# KiCad board driver.kicad_pcb (continued)
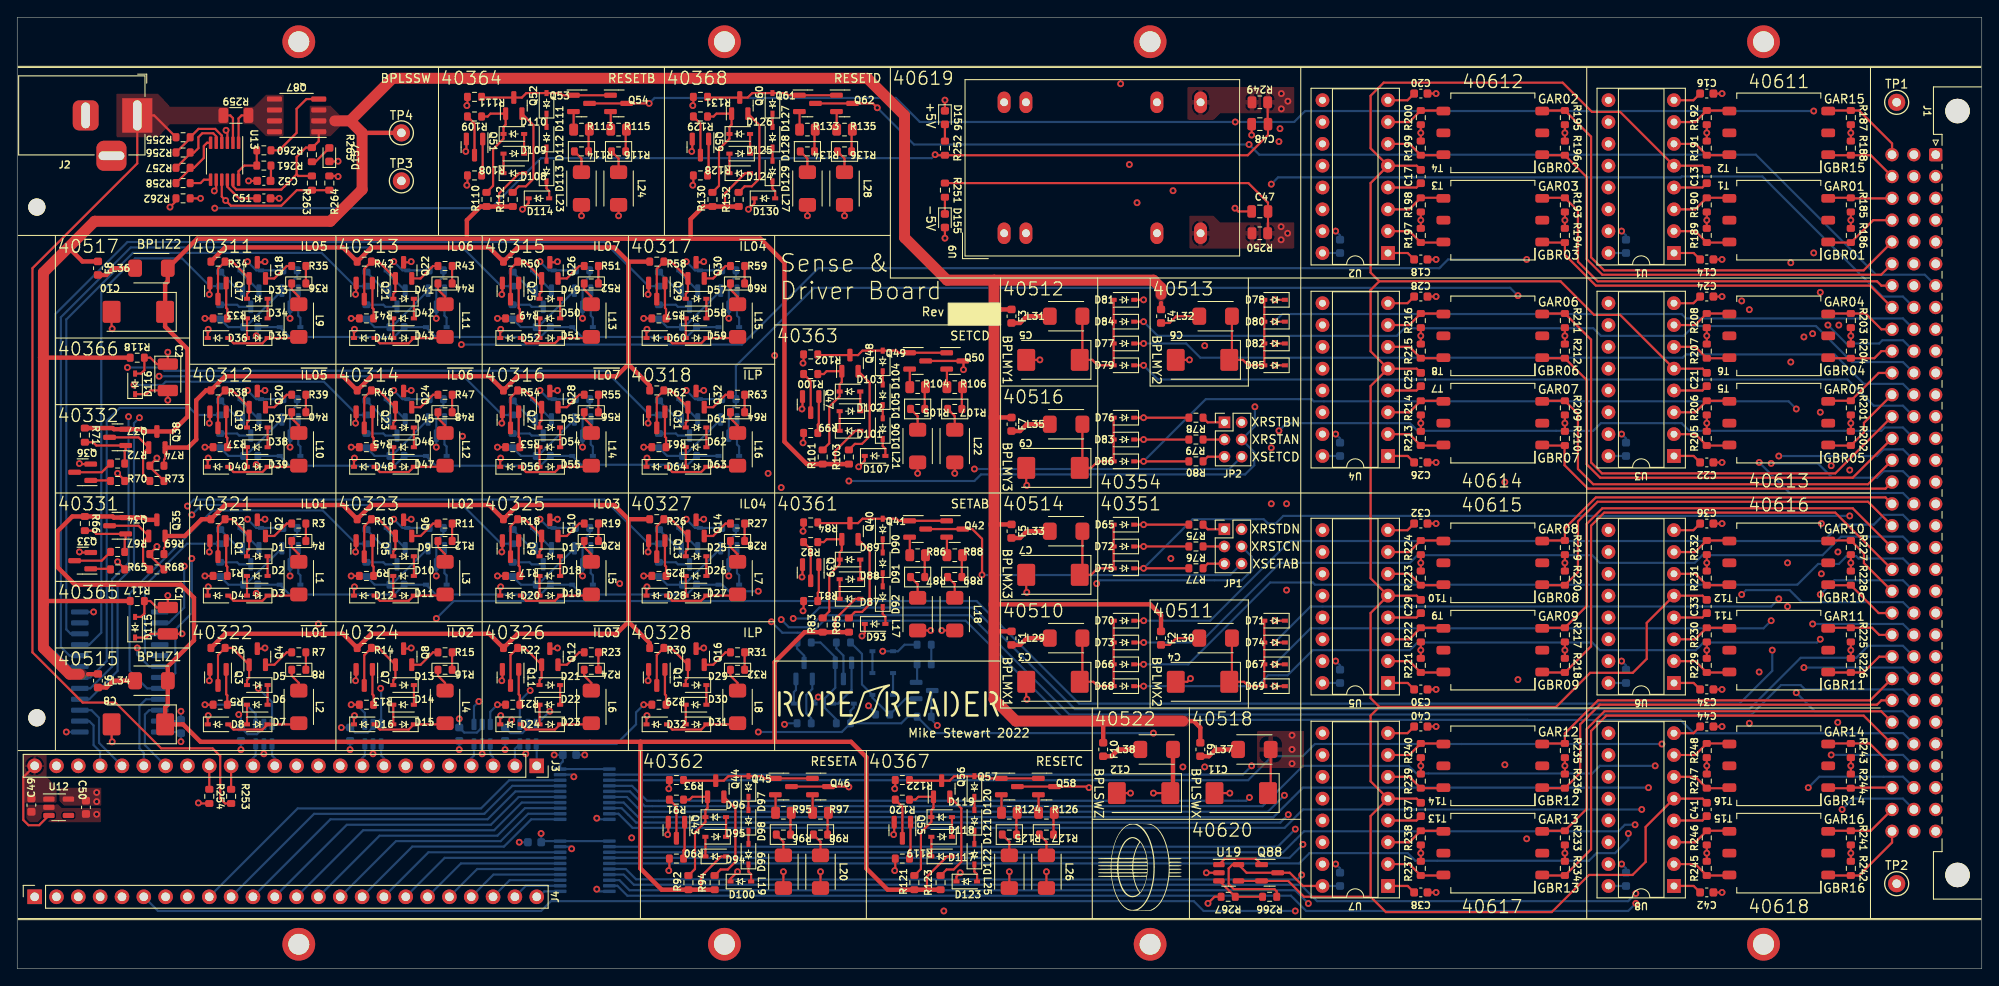
[diagram p0: board, top side]
## Routing (per net, layer and track width the routed paths; a pad name or vN(x,y) marks a point on that pad's centre or on a via; arc(x,y) is an arc through that point) (continued)
/Strand Select/RPR: length 2.7
  Bottom w0.254: R270.2 90.74,37.27 91.57,36.45 Q89.3
Net-(C14-Pad2): length 3.4
  Top w0.254: U1.1 195.07,83.3 C14.2
Net-(C18-Pad2): length 3.4
  Top w0.254: C18.2 161.79,83.3 U2.1
Net-(C22-Pad2): length 3.4
  Top w0.254: U3.1 195.07,59.68 C22.2
Net-(C26-Pad2): length 3.4
  Top w0.254: C26.2 161.79,59.68 U4.1
Net-(C30-Pad2): length 3.4
  Top w0.254: U5.1 161.79,33.26 C30.2
Net-(C34-Pad2): length 3.4
  Top w0.254: C34.2 195.07,33.26 U6.1
Net-(C38-Pad2): length 3.4
  Top w0.254: U7.1 161.79,9.64 C38.2
Net-(C42-Pad2): length 3.4
  Top w0.254: U8.1 195.07,9.64 C42.2
Net-(C51-Pad1): length 4.9
  Top w0.254: U13.10 24.45,91.01 25.8,89.66 C51.1
Net-(C52-Pad1): length 1.8
  Top w0.254: R261.1 29.53,91.74 C52.1
Net-(D1-Pad1): length 2.3
  Top w0.254: D2.2 D1.1
Net-(D1-Pad2): length 10.8
  Top w0.254: D1.2 26.74,48.58 26.99,48.83 Q2.1 25.04,52.32 R2.2 23.37,51.5 Q1.3
Net-(D2-Pad1): length 2.3
  Top w0.254: D3.2 D2.1
Net-(D3-Pad1): length 8.8
  Top w0.254: D4.2 25.18,42.82 28.53,42.82 D3.1 32.63,43.43 L1.2
Net-(D5-Pad1): length 2.3
  Top w0.254: D6.2 D5.1
Net-(D5-Pad2): length 10.8
  Top w0.254: D5.2 26.74,33.6 26.99,33.85 Q4.1 25.04,37.34 R6.2 23.37,36.51 Q3.3
Net-(D6-Pad1): length 2.3
  Top w0.254: D7.2 D6.1
Net-(D7-Pad1): length 8.8
  Top w0.254: L2.2 32.63,28.45 D7.1 28.53,27.84 25.18,27.84 D8.2
Net-(D9-Pad2): length 10.8
  Top w0.254: Q5.3 40.39,51.5 R10.2 42.05,52.32 Q6.1 44.01,48.83 43.76,48.58 D9.2
Net-(D10-Pad1): length 2.3
  Top w0.254: D11.2 D10.1
Net-(D10-Pad2): length 2.3
  Top w0.254: D10.2 D9.1
Net-(D11-Pad1): length 8.8
  Top w0.254: L3.2 49.65,43.43 D11.1 45.55,42.82 42.2,42.82 D12.2
Net-(D13-Pad1): length 2.3
  Top w0.254: D14.2 D13.1
Net-(D13-Pad2): length 10.8
  Top w0.254: Q7.3 40.39,36.51 R14.2 42.05,37.34 Q8.1 44.01,33.85 43.76,33.6 D13.2
Net-(D14-Pad1): length 2.3
  Top w0.254: D15.2 D14.1
Net-(D15-Pad1): length 8.8
  Top w0.254: D16.2 42.2,27.84 45.55,27.84 D15.1 49.65,28.45 L4.2
Net-(D17-Pad1): length 2.3
  Top w0.254: D18.2 D17.1
Net-(D17-Pad2): length 10.8
  Top w0.254: D17.2 60.78,48.58 61.03,48.83 Q10.1 59.07,52.32 R18.2 57.4,51.5 Q9.3
Net-(D18-Pad1): length 2.3
  Top w0.254: D19.2 D18.1
Net-(D19-Pad1): length 8.8
  Top w0.254: D20.2 59.21,42.82 62.57,42.82 D19.1 66.67,43.43 L5.2
Net-(D21-Pad1): length 2.3
  Top w0.254: D22.2 D21.1
Net-(D21-Pad2): length 10.8
  Top w0.254: D21.2 60.78,33.6 61.03,33.85 Q12.1 59.07,37.34 R22.2 57.4,36.51 Q11.3
Net-(D22-Pad1): length 2.3
  Top w0.254: D23.2 D22.1
Net-(D23-Pad1): length 8.8
  Top w0.254: L6.2 66.67,28.45 D23.1 62.57,27.84 59.21,27.84 D24.2
Net-(D25-Pad1): length 2.3
  Top w0.254: D26.2 D25.1
Net-(D25-Pad2): length 10.8
  Top w0.254: Q13.3 74.42,51.5 R26.2 76.09,52.32 Q14.1 78.04,48.83 77.79,48.58 D25.2
Net-(D26-Pad1): length 2.3
  Top w0.254: D27.2 D26.1
Net-(D27-Pad1): length 8.8
  Top w0.254: D28.2 76.23,42.82 79.58,42.82 D27.1 83.69,43.43 L7.2
Net-(D29-Pad1): length 2.3
  Top w0.254: D30.2 D29.1
Net-(D29-Pad2): length 10.8
  Top w0.254: Q15.3 74.42,36.51 R30.2 76.09,37.34 Q16.1 78.04,33.85 77.79,33.6 D29.2
Net-(D30-Pad1): length 2.3
  Top w0.254: D31.2 D30.1
Net-(D31-Pad1): length 8.8
  Top w0.254: D32.2 76.23,27.84 79.58,27.84 D31.1 83.69,28.45 L8.2
Net-(D33-Pad1): length 2.3
  Top w0.254: D34.2 D33.1
Net-(D33-Pad2): length 10.8
  Top w0.254: D33.2 26.74,78.56 26.99,78.81 Q18.1 25.04,82.3 R34.2 23.37,81.47 Q17.3
Net-(D34-Pad1): length 2.3
  Top w0.254: D35.2 D34.1
Net-(D35-Pad1): length 8.8
  Top w0.254: L9.2 32.63,73.41 D35.1 28.53,72.8 25.18,72.8 D36.2
Net-(D37-Pad1): length 2.3
  Top w0.254: D38.2 D37.1
Net-(D37-Pad2): length 10.8
  Top w0.254: D37.2 26.74,63.57 26.99,63.82 Q20.1 25.04,67.31 R38.2 23.37,66.48 Q19.3
Net-(D38-Pad1): length 2.3
  Top w0.254: D39.2 D38.1
Net-(D39-Pad1): length 8.8
  Top w0.254: L10.2 32.63,58.42 D39.1 28.53,57.81 25.18,57.81 D40.2
Net-(D41-Pad1): length 2.3
  Top w0.254: D42.2 D41.1
Net-(D41-Pad2): length 10.8
  Top w0.254: Q21.3 40.39,81.47 R42.2 42.05,82.3 Q22.1 44.01,78.81 43.76,78.56 D41.2
Net-(D42-Pad1): length 2.3
  Top w0.254: D43.2 D42.1
Net-(D43-Pad1): length 8.8
  Top w0.254: D44.2 42.2,72.8 45.55,72.8 D43.1 49.65,73.41 L11.2
Net-(D45-Pad1): length 2.3
  Top w0.254: D46.2 D45.1
Net-(D45-Pad2): length 10.8
  Top w0.254: Q23.3 40.39,66.48 R46.2 42.05,67.31 Q24.1 44.01,63.82 43.76,63.57 D45.2
Net-(D46-Pad1): length 2.3
  Top w0.254: D47.2 D46.1
Net-(D47-Pad1): length 8.8
  Top w0.254: D48.2 42.2,57.81 45.55,57.81 D47.1 49.65,58.42 L12.2
Net-(D49-Pad1): length 2.3
  Top w0.254: D50.2 D49.1
Net-(D49-Pad2): length 10.8
  Top w0.254: Q25.3 57.4,81.47 R50.2 59.07,82.3 Q26.1 61.03,78.81 60.78,78.56 D49.2
Net-(D50-Pad1): length 2.3
  Top w0.254: D51.2 D50.1
Net-(D51-Pad1): length 8.8
  Top w0.254: L13.2 66.67,73.41 D51.1 62.57,72.8 59.21,72.8 D52.2
Net-(D53-Pad1): length 2.3
  Top w0.254: D54.2 D53.1
Net-(D53-Pad2): length 10.8
  Top w0.254: D53.2 60.78,63.57 61.03,63.82 Q28.1 59.07,67.31 R54.2 57.4,66.48 Q27.3
Net-(D54-Pad1): length 2.3
  Top w0.254: D55.2 D54.1
Net-(D55-Pad1): length 8.8
  Top w0.254: D56.2 59.21,57.81 62.57,57.81 D55.1 66.67,58.42 L14.2
Net-(D57-Pad1): length 2.3
  Top w0.254: D58.2 D57.1
Net-(D57-Pad2): length 10.8
  Top w0.254: Q29.3 74.42,81.47 R58.2 76.09,82.3 Q30.1 78.04,78.81 77.79,78.56 D57.2
Net-(D58-Pad1): length 2.3
  Top w0.254: D59.2 D58.1
Net-(D59-Pad1): length 8.8
  Top w0.254: L15.2 83.69,73.41 D59.1 79.58,72.8 76.23,72.8 D60.2
Net-(D61-Pad1): length 2.3
  Top w0.254: D62.2 D61.1
Net-(D61-Pad2): length 10.8
  Top w0.254: D61.2 77.79,63.57 78.04,63.82 Q32.1 76.09,67.31 R62.2 74.42,66.48 Q31.3
Net-(D62-Pad1): length 2.3
  Top w0.254: D63.2 D62.1
Net-(D63-Pad1): length 8.8
  Top w0.254: L16.2 83.69,58.42 D63.1 79.58,57.81 76.23,57.81 D64.2
Net-(D87-Pad1): length 2.3
  Top w0.254: D88.2 D87.1
Net-(D88-Pad1): length 2.3
  Top w0.254: D89.2 D88.1
Net-(D89-Pad1): length 13
  Top w0.254: R82.1 93.85,49.66 94.19,49.99 Q40.1 95.95,48.71 95.7,48.46 D89.1 95.7,47.06 94.49,45.85 94.49,41.59 R83.2
Net-(D90-Pad1): length 1.5
  Top w0.254: D90.1 D91.2
Net-(D90-Pad2): length 15.4
  Top w0.254: R84.1 93.23,51.86 Q40.3 97.84,51.86 98.35,52.38 102.31,52.38 102.56,52.13 Q41.1 Q42.1
Net-(D91-Pad1): length 1.5
  Top w0.254: D91.1 D92.2
Net-(D92-Pad1): length 2.1
  Top w0.254: D92.1 100.71,41.28 101.02,40.96 D93.2
Net-(D94-Pad1): length 2.3
  Top w0.254: D95.2 D94.1
Net-(D95-Pad1): length 2.3
  Top w0.254: D96.2 D95.1
Net-(D96-Pad1): length 13
  Top w0.254: R91.1 78.23,19.69 78.56,20.02 Q44.1 80.33,18.73 80.08,18.48 D96.1 80.08,17.09 78.87,15.88 78.87,11.62 R92.2
Net-(D97-Pad1): length 1.5
  Top w0.254: D97.1 D98.2
Net-(D97-Pad2): length 15.4
  Top w0.254: Q46.1 Q45.1 86.93,22.16 86.68,22.41 D97.2 82.73,22.41 82.22,21.89 Q44.3 77.61,21.89 R93.1
Net-(D98-Pad1): length 1.5
  Top w0.254: D98.1 D99.2
Net-(D100-Pad2): length 2.1
  Top w0.254: D100.2 85.4,10.99 85.09,11.3 D99.1
Net-(D101-Pad1): length 2.3
  Top w0.254: D102.2 D101.1
Net-(D102-Pad1): length 2.3
  Top w0.254: D103.2 D102.1
Net-(D103-Pad1): length 13
  Top w0.254: R101.2 94.49,61.15 94.49,65.41 95.7,66.62 D103.1 95.7,68.02 95.95,68.27 Q48.1 94.19,69.55 93.85,69.22 R100.1
Net-(D104-Pad1): length 1.5
  Top w0.254: D104.1 D105.2
Net-(D104-Pad2): length 15.4
  Top w0.254: R102.1 93.23,71.42 Q48.3 97.84,71.42 98.35,71.94 D104.2 102.31,71.94 102.56,71.69 Q49.1 Q50.1
Net-(D105-Pad1): length 1.5
  Top w0.254: D105.1 D106.2
Net-(D106-Pad1): length 2.1
  Top w0.254: D107.2 101.02,60.52 100.71,60.83 D106.1
Net-(D108-Pad1): length 2.3
  Top w0.254: D109.2 D108.1
Net-(D109-Pad1): length 2.3
  Top w0.254: D110.2 D109.1
Net-(D110-Pad1): length 13
  Top w0.254: R110.2 55.37,91.12 55.37,95.38 56.59,96.59 D110.1 56.59,97.99 56.84,98.24 Q52.1 55.07,99.52 54.74,99.19 R109.1
Net-(D111-Pad1): length 1.5
  Top w0.254: D111.1 D112.2
Net-(D111-Pad2): length 15.4
  Top w0.254: R111.1 54.12,101.39 Q52.3 58.72,101.39 59.24,101.91 D111.2 63.19,101.91 63.44,101.66 Q53.1 Q54.1
Net-(D112-Pad1): length 1.5
  Top w0.254: D112.1 D113.2
Net-(D113-Pad1): length 2.1
  Top w0.254: D113.1 61.6,90.81 61.91,90.49 D114.2
Net-(D117-Pad1): length 2.3
  Top w0.254: D118.2 D117.1
Net-(D118-Pad1): length 2.3
  Top w0.254: D119.2 D118.1
Net-(D119-Pad1): length 13
  Top w0.254: R120.1 104.52,19.69 104.85,20.02 Q56.1 106.62,18.73 106.37,18.48 D119.1 106.37,17.09 105.16,15.88 105.16,11.62 R121.2
Net-(D120-Pad1): length 1.5
  Top w0.254: D120.1 D121.2
Net-(D120-Pad2): length 15.4
  Top w0.254: Q58.1 Q57.1 113.22,22.16 112.97,22.41 D120.2 109.02,22.41 108.51,21.89 Q56.3 103.9,21.89 R122.1
Net-(D121-Pad1): length 1.5
  Top w0.254: D121.1 D122.2
Net-(D122-Pad1): length 2.1
  Top w0.254: D123.2 111.69,10.99 111.38,11.3 D122.1
Net-(D124-Pad1): length 2.3
  Top w0.254: D125.2 D124.1
Net-(D125-Pad1): length 2.3
  Top w0.254: D126.2 D125.1
Net-(D126-Pad1): length 13
  Top w0.254: R129.1 81.03,99.19 81.36,99.52 Q60.1 83.12,98.24 82.87,97.99 D126.1 82.87,96.59 81.66,95.38 81.66,91.12 R130.2
Net-(D127-Pad1): length 1.5
  Top w0.254: D127.1 D128.2
Net-(D127-Pad2): length 15.4
  Top w0.254: Q62.1 Q61.1 89.73,101.66 89.48,101.91 D127.2 85.53,101.91 85.01,101.39 Q60.3 80.41,101.39 R131.1
Net-(D128-Pad1): length 1.5
  Top w0.254: D128.1 D129.2
Net-(D129-Pad1): length 2.1
  Top w0.254: D129.1 87.88,90.81 88.19,90.49 D130.2
Net-(D131-Pad2): length 3.3
  Bottom w0.254: Q63.2 25.98,81.07 D131.2
Net-(D132-Pad1): length 4.3
  Bottom w0.254: Q64.2 32.7,76.01 32.95,75.76 D132.1
Net-(D133-Pad2): length 3.3
  Bottom w0.254: D133.2 43,81.07 Q65.2
Net-(D134-Pad1): length 4.3
  Bottom w0.254: D134.1 49.97,75.76 49.72,76.01 Q66.2
Net-(D135-Pad2): length 3.3
  Bottom w0.254: Q67.2 60.01,81.07 D135.2
Net-(D136-Pad1): length 4.3
  Bottom w0.254: Q68.2 66.74,76.01 66.99,75.76 D136.1
Net-(D137-Pad2): length 3.3
  Bottom w0.254: Q69.2 77.03,81.07 D137.2
Net-(D138-Pad1): length 4.3
  Bottom w0.254: Q70.2 83.75,76.01 84,75.76 D138.1
Net-(D139-Pad2): length 3.3
  Bottom w0.254: D139.2 25.98,66.08 Q71.2
Net-(D140-Pad1): length 4.3
  Bottom w0.254: D140.1 32.95,60.78 32.7,61.03 Q72.2
Net-(D141-Pad2): length 3.3
  Bottom w0.254: Q73.2 43,66.08 D141.2
Net-(D142-Pad1): length 4.3
  Bottom w0.254: D142.1 49.97,60.78 49.72,61.03 Q74.2
Net-(D143-Pad2): length 3.3
  Bottom w0.254: Q75.2 60.01,66.08 D143.2
Net-(D144-Pad1): length 4.3
  Bottom w0.254: D144.1 66.99,60.78 66.74,61.03 Q76.2
Net-(D145-Pad2): length 3.3
  Bottom w0.254: D145.2 77.03,66.08 Q77.2
Net-(D146-Pad1): length 4.3
  Bottom w0.254: Q78.2 83.75,61.03 84,60.78 D146.1
Net-(D147-Pad2): length 3.3
  Bottom w0.254: D147.2 25.98,51.09 Q79.2
Net-(D148-Pad1): length 4.3
  Bottom w0.254: D148.1 32.95,45.79 32.7,46.04 Q80.2
Net-(D149-Pad2): length 3.3
  Bottom w0.254: D149.2 43,51.09 Q81.2
Net-(D150-Pad1): length 4.3
  Bottom w0.254: D150.1 49.97,45.79 49.72,46.04 Q82.2
Net-(D151-Pad2): length 3.3
  Bottom w0.254: Q83.2 60.01,51.09 D151.2
Net-(D152-Pad1): length 4.3
  Bottom w0.254: D152.1 66.99,45.79 66.74,46.04 Q84.2
Net-(D153-Pad2): length 3.3
  Bottom w0.254: D153.2 77.03,51.09 Q85.2
Net-(D154-Pad1): length 4.3
  Bottom w0.254: D154.1 84,45.79 83.75,46.04 Q86.2
Net-(D155-Pad1): length 1.9
  Top w0.254: R251.2 D155.1
Net-(D156-Pad2): length 1.9
  Top w0.254: R252.2 D156.2
Net-(D157-Pad2): length 2.7
  Top w0.254: D157.2 34.71,93.92 R265.2
Net-(D158-Pad2): length 3
  Bottom w0.254: Q89.2 90.62,32.45 90.37,32.2 D158.2
Net-(D159-Pad1): length 6
  Bottom w0.254: Q90.2 97.09,32.45 95.5,30.86 D159.1
Net-(D160-Pad1): length 2.5
  Bottom w0.254: D160.1 D161.2
Net-(D160-Pad2): length 14.1
  Bottom w0.254: Q91.1 103.38,31.44 R272.1 101.47,29.59 99.51,31.55 D160.2 98.3,33.09 98.3,36.64 R271.2
Net-(D161-Pad1): length 2.5
  Bottom w0.254: D161.1 D162.2
Net-(JP1-Pad1): length 2.7
  Top w0.254: JP1.1 138.53,51.15 R75.1
Net-(JP1-Pad3): length 2.5
  Top w0.254: R76.1 JP1.3
Net-(JP1-Pad5): length 2.7
  Top w0.254: JP1.5 138.53,47.15 R77.1
Net-(JP2-Pad1): length 2.7
  Top w0.254: 140.48,63.59 138.53,63.59 R78.1
Net-(JP2-Pad3): length 2.5
  Top w0.254: R79.1 140.48,61.59
Net-(JP2-Pad5): length 2.7
  Top w0.254: 140.48,59.59 138.53,59.59 R80.1
Net-(L1-Pad1): length 2.8
  Top w0.254: R4.2 31.94,49.09 32.77,48.26 L1.1
Net-(L2-Pad1): length 2.8
  Top w0.254: L2.1 32.77,33.27 31.94,34.1 R8.2
Net-(L3-Pad1): length 2.8
  Top w0.254: R12.2 48.96,49.09 49.78,48.26 L3.1
Net-(L4-Pad1): length 2.8
  Top w0.254: L4.1 49.78,33.27 48.96,34.1 R16.2
Net-(L5-Pad1): length 2.8
  Top w0.254: R20.2 65.98,49.09 66.8,48.26 L5.1
Net-(L6-Pad1): length 2.8
  Top w0.254: L6.1 66.8,33.27 65.98,34.1 R24.2
Net-(L7-Pad1): length 2.8
  Top w0.254: R28.2 83,49.09 83.82,48.26 L7.1
Net-(L8-Pad1): length 2.8
  Top w0.254: L8.1 83.82,33.27 83,34.1 R32.2
Net-(L9-Pad1): length 2.8
  Top w0.254: R36.2 31.94,79.06 32.77,78.23 L9.1
Net-(L10-Pad1): length 2.8
  Top w0.254: L10.1 32.77,63.25 31.94,64.07 R40.2
Net-(L11-Pad1): length 2.8
  Top w0.254: L11.1 49.78,78.23 48.96,79.06 R44.2
Net-(L12-Pad1): length 2.8
  Top w0.254: L12.1 49.78,63.25 48.96,64.07 R48.2
Net-(L13-Pad1): length 2.8
  Top w0.254: R52.2 65.98,79.06 66.8,78.23 L13.1
Net-(L14-Pad1): length 2.8
  Top w0.254: L14.1 66.8,63.25 65.98,64.07 R56.2
Net-(L15-Pad1): length 2.8
  Top w0.254: L15.1 83.82,78.23 83,79.06 R60.2
Net-(L16-Pad1): length 2.8
  Top w0.254: L16.1 83.82,63.25 83,64.07 R64.2
Net-(L17-Pad1): length 2.8
  Top w0.254: L17.1 104.78,44.77 R87.2
Net-(L18-Pad1): length 2.8
  Top w0.254: R89.2 109.09,44.77 L18.1
Net-(L19-Pad1): length 2.8
  Top w0.254: L19.1 89.15,14.8 R96.2
Net-(L20-Pad1): length 2.8
  Top w0.254: R98.2 93.47,14.8 L20.1
Net-(L21-Pad1): length 2.8
  Top w0.254: R105.2 104.78,64.33 L21.1
Net-(L22-Pad1): length 2.8
  Top w0.254: L22.1 109.09,64.33 R107.2
Net-(L23-Pad1): length 2.8
  Top w0.254: R114.2 65.66,94.3 L23.1
Net-(L24-Pad1): length 2.8
  Top w0.254: L24.1 69.98,94.3 R116.2
Net-(L25-Pad1): length 2.8
  Top w0.254: L25.1 115.44,14.8 R125.2
Net-(L26-Pad1): length 2.8
  Top w0.254: L26.1 119.76,14.8 R127.2
Net-(L27-Pad1): length 2.8
  Top w0.254: R134.2 91.95,94.3 L27.1
Net-(L28-Pad1): length 2.8
  Top w0.254: L28.1 96.27,94.3 R136.2
Net-(Q1-Pad1): length 4.2
  Top w0.254: R1.1 24.45,46.8 24.32,46.93 Q1.1
Net-(Q2-Pad2): length 3.6
  Top w0.254: R3.1 31.37,51.82 29.92,50.37 Q2.2
Net-(Q3-Pad1): length 4.2
  Top w0.254: Q3.1 24.32,31.94 24.45,31.81 R5.1
Net-(Q4-Pad2): length 3.6
  Top w0.254: Q4.2 29.92,35.38 31.37,36.83 R7.1
Net-(Q5-Pad1): length 4.2
  Top w0.254: 41.46,45.72 41.46,46.8 41.34,46.93 Q5.1
Net-(Q6-Pad2): length 3.6
  Top w0.254: Q6.2 46.94,50.37 48.39,51.82 R11.1
Net-(Q7-Pad1): length 4.2
  Top w0.254: Q7.1 41.34,31.94 41.46,31.81 41.46,30.73
Net-(Q8-Pad2): length 3.6
  Top w0.254: R15.1 48.39,36.83 46.94,35.38 Q8.2
Net-(Q9-Pad1): length 4.2
  Top w0.254: Q9.1 58.35,46.93 58.48,46.8 R17.1
Net-(Q10-Pad2): length 3.6
  Top w0.254: Q10.2 63.96,50.37 65.41,51.82 R19.1
Net-(Q11-Pad1): length 4.2
  Top w0.254: R21.1 58.48,31.81 58.35,31.94 Q11.1
Net-(Q12-Pad2): length 3.6
  Top w0.254: R23.1 65.41,36.83 63.96,35.38 Q12.2
Net-(Q13-Pad1): length 4.2
  Top w0.254: Q13.1 75.37,46.93 75.5,46.8 R25.1
Net-(Q14-Pad2): length 3.6
  Top w0.254: R27.1 82.42,51.82 80.98,50.37 Q14.2
Net-(Q15-Pad1): length 4.2
  Top w0.254: Q15.1 75.37,31.94 75.5,31.81 R29.1
Net-(Q16-Pad2): length 3.6
  Top w0.254: R31.1 82.42,36.83 80.98,35.38 Q16.2
Net-(Q17-Pad1): length 4.2
  Top w0.254: Q17.1 24.32,76.9 24.45,76.77 R33.1
Net-(Q18-Pad2): length 3.6
  Top w0.254: R35.1 31.37,81.79 29.92,80.34 Q18.2
Net-(Q19-Pad1): length 4.2
  Top w0.254: Q19.1 24.32,61.92 24.45,61.79 R37.1
Net-(Q20-Pad2): length 3.6
  Top w0.254: R39.1 31.37,66.8 29.92,65.36 Q20.2
Net-(Q21-Pad1): length 4.2
  Top w0.254: 41.46,75.69 41.46,76.77 41.34,76.9 Q21.1
Net-(Q22-Pad2): length 3.6
  Top w0.254: Q22.2 46.94,80.34 48.39,81.79 R43.1
Net-(Q23-Pad1): length 4.2
  Top w0.254: Q23.1 41.34,61.92 41.46,61.79 41.46,60.71
Net-(Q24-Pad2): length 3.6
  Top w0.254: R47.1 48.39,66.8 46.94,65.36 Q24.2
Net-(Q25-Pad1): length 4.2
  Top w0.254: Q25.1 58.35,76.9 58.48,76.77 R49.1
Net-(Q26-Pad2): length 3.6
  Top w0.254: Q26.2 63.96,80.34 65.41,81.79 R51.1
Net-(Q27-Pad1): length 4.2
  Top w0.254: R53.1 58.48,61.79 58.35,61.92 Q27.1
Net-(Q28-Pad2): length 3.6
  Top w0.254: Q28.2 63.96,65.36 65.41,66.8 R55.1
Net-(Q29-Pad1): length 4.2
  Top w0.254: Q29.1 75.37,76.9 75.5,76.77 R57.1
Net-(Q30-Pad2): length 3.6
  Top w0.254: Q30.2 80.98,80.34 82.42,81.79 R59.1
Net-(Q31-Pad1): length 4.2
  Top w0.254: Q31.1 75.37,61.92 75.5,61.79 R61.1
Net-(Q32-Pad2): length 3.6
  Top w0.254: Q32.2 80.98,65.36 82.42,66.8 R63.1
Net-(Q33-Pad1): length 2.3
  Top w0.254: Q33.1 10.79,46.55 R65.1
Net-(Q33-Pad3): length 4.6
  Top w0.254: Q33.3 9.84,47.5 R67.2
Net-(Q34-Pad1): length 7
  Top w0.254: 12.51,48.51 12.51,49.97 12.62,50.09 Q34.1 9.2,50.61 8.83,50.99 R66.2
Net-(Q34-Pad3): length 9.5
  Top w0.254: 15.43,46.48 14.65,47.26 14.65,49.71 Q35.1 14.11,51.56 Q34.3
Net-(Q36-Pad1): length 2.3
  Top w0.254: R70.1 10.79,56.84 Q36.1
Net-(Q36-Pad3): length 4.6
  Top w0.254: Q36.3 9.84,57.79 R72.2
Net-(Q37-Pad1): length 7
  Top w0.254: 12.51,58.8 12.51,60.26 12.62,60.37 Q37.1 9.2,60.9 8.83,61.28 R71.2
Net-(Q37-Pad3): length 9.5
  Top w0.254: 15.43,56.77 14.65,57.55 14.65,60 Q38.1 14.11,61.85 Q37.3
Net-(Q39-Pad1): length 4.3
  Top w0.254: Q39.1 93.28,43.88 93.15,43.75 R81.1
Net-(Q39-Pad3): length 4.8
  Top w0.254: Q39.3 92.33,48.83 R82.2
Net-(Q40-Pad2): length 11.2
  Top w0.254: Q40.2 99.19,48.65 99.19,42.42 98.3,41.53 97.47,41.53 R85.2
Net-(Q41-Pad2): length 2.1
  Top w0.254: R86.1 103.86,50.21 Q41.2
Net-(Q42-Pad2): length 2.1
  Top w0.254: R88.1 108.18,50.21 Q42.2
Net-(Q43-Pad1): length 4.3
  Top w0.254: R90.1 77.53,13.78 77.66,13.9 Q43.1
Net-(Q43-Pad3): length 4.8
  Top w0.254: Q43.3 76.71,18.86 R91.2
Net-(Q44-Pad2): length 11.2
  Top w0.254: R94.2 81.85,11.56 82.68,11.56 83.57,12.45 83.57,18.68 Q44.2
Net-(Q45-Pad2): length 2.1
  Top w0.254: R95.1 88.24,20.23 Q45.2
Net-(Q46-Pad2): length 2.1
  Top w0.254: Q46.2 92.56,20.23 R97.1
Net-(Q47-Pad1): length 4.3
  Top w0.254: R99.1 93.15,63.31 93.28,63.43 Q47.1
Net-(Q47-Pad3): length 4.8
  Top w0.254: Q47.3 92.33,68.39 R100.2
Net-(Q48-Pad2): length 11.2
  Top w0.254: Q48.2 99.19,68.21 99.19,61.98 98.3,61.09 97.47,61.09 R103.2
Net-(Q49-Pad2): length 2.1
  Top w0.254: R104.1 103.86,69.76 Q49.2
Net-(Q50-Pad2): length 2.1
  Top w0.254: Q50.2 108.18,69.76 R106.1
Net-(Q51-Pad1): length 4.3
  Top w0.254: R108.1 54.04,93.28 54.16,93.41 Q51.1
Net-(Q51-Pad3): length 4.8
  Top w0.254: R109.2 53.21,98.36 Q51.3
Net-(Q52-Pad2): length 11.2
  Top w0.254: Q52.2 60.07,98.18 60.07,91.95 59.18,91.06 58.36,91.06 R112.2
Net-(Q53-Pad2): length 2.1
  Top w0.254: R113.1 64.75,99.74 Q53.2
Net-(Q54-Pad2): length 2.1
  Top w0.254: R115.1 69.06,99.74 Q54.2
Net-(Q55-Pad1): length 4.3
  Top w0.254: 103.95,17.07 103.95,13.9 103.82,13.78 R119.1
Net-(Q55-Pad3): length 4.8
  Top w0.254: Q55.3 103,18.86 R120.2
Net-(Q56-Pad2): length 11.2
  Top w0.254: R123.2 108.14,11.56 108.97,11.56 109.85,12.45 109.85,18.68 108.52,20.02
Net-(Q57-Pad2): length 2.1
  Top w0.254: Q57.2 114.53,20.23 R124.1
Net-(Q58-Pad2): length 2.1
  Top w0.254: Q58.2 118.85,20.23 R126.1
Net-(Q59-Pad1): length 4.3
  Top w0.254: Q59.1 80.45,93.41 80.33,93.28 R128.1
Net-(Q59-Pad3): length 4.8
  Top w0.254: Q59.3 79.5,98.36 R129.2
Net-(Q60-Pad2): length 11.2
  Top w0.254: R132.2 84.65,91.06 85.47,91.06 86.36,91.95 86.36,98.18 Q60.2
Net-(Q61-Pad2): length 2.1
  Top w0.254: Q61.2 91.04,99.74 R133.1
Net-(Q62-Pad2): length 2.1
  Top w0.254: R135.1 95.35,99.74 Q62.2
Net-(Q63-Pad1): length 3.5
  Bottom w0.254: R137.1 25.8,78.92 Q63.1
Net-(Q63-Pad3): length 3.7
  Bottom w0.254: Q63.3 25.83,77.04 25.59,77.28 R139.2
Net-(Q64-Pad1): length 9.3
  Bottom w0.254: Q64.1 26.56,74.68 R138.2 24.58,74.68 R139.1
Net-(Q65-Pad1): length 3.5
  Bottom w0.254: Q65.1 42.81,78.92 R141.1
Net-(Q65-Pad3): length 3.7
  Bottom w0.254: Q65.3 42.85,77.04 42.61,77.28 R143.2
Net-(Q66-Pad1): length 9.3
  Bottom w0.254: Q66.1 43.58,74.68 R142.2 41.59,74.68 R143.1
Net-(Q67-Pad1): length 3.5
  Bottom w0.254: R145.1 59.83,78.92 Q67.1
Net-(Q67-Pad3): length 3.7
  Bottom w0.254: Q67.3 59.87,77.04 59.63,77.28 R147.2
Net-(Q68-Pad1): length 9.3
  Bottom w0.254: R147.1 58.61,74.68 R146.2 60.6,74.68 Q68.1
Net-(Q69-Pad1): length 3.5
  Bottom w0.254: R149.1 76.85,78.92 Q69.1
Net-(Q69-Pad3): length 3.7
  Bottom w0.254: Q69.3 76.88,77.04 76.65,77.28 R151.2
Net-(Q70-Pad1): length 9.3
  Bottom w0.254: Q70.1 77.61,74.68 R150.2 75.63,74.68 R151.1
Net-(Q71-Pad1): length 3.5
  Bottom w0.254: Q71.1 25.8,63.93 R153.1
Net-(Q71-Pad3): length 3.7
  Bottom w0.254: R155.2 25.59,62.29 25.83,62.05 Q71.3
Net-(Q72-Pad1): length 9.3
  Bottom w0.254: R155.1 24.58,59.69 R154.2 26.56,59.69 Q72.1
Net-(Q73-Pad1): length 3.5
  Bottom w0.254: Q73.1 42.81,63.93 R157.1
Net-(Q73-Pad3): length 3.7
  Bottom w0.254: R159.2 42.61,62.29 42.85,62.05 Q73.3
Net-(Q74-Pad1): length 9.3
  Bottom w0.254: R159.1 41.59,59.69 R158.2 43.58,59.69 Q74.1
Net-(Q75-Pad1): length 3.5
  Bottom w0.254: R161.1 59.83,63.93 Q75.1
Net-(Q75-Pad3): length 3.7
  Bottom w0.254: R163.2 59.63,62.29 59.87,62.05 Q75.3
Net-(Q76-Pad1): length 9.3
  Bottom w0.254: Q76.1 60.6,59.69 R162.2 58.61,59.69 R163.1
Net-(Q77-Pad1): length 3.5
  Bottom w0.254: R165.1 76.85,63.93 Q77.1
Net-(Q77-Pad3): length 3.7
  Bottom w0.254: R167.2 76.65,62.29 76.88,62.05 Q77.3
Net-(Q78-Pad1): length 9.3
  Bottom w0.254: R167.1 75.63,59.69 R166.2 77.61,59.69 Q78.1
Net-(Q79-Pad1): length 3.5
  Bottom w0.254: R169.1 25.8,48.94 Q79.1
Net-(Q79-Pad3): length 3.7
  Bottom w0.254: R171.2 25.59,47.31 25.83,47.07 Q79.3
Net-(Q80-Pad1): length 9.3
  Bottom w0.254: R171.1 24.58,44.7 R170.2 26.56,44.7 Q80.1
Net-(Q81-Pad1): length 3.5
  Bottom w0.254: Q81.1 42.81,48.94 R173.1
Net-(Q81-Pad3): length 3.7
  Bottom w0.254: R175.2 42.61,47.31 42.85,47.07 Q81.3
Net-(Q82-Pad1): length 9.3
  Bottom w0.254: R175.1 41.59,44.7 R174.2 43.58,44.7 Q82.1
Net-(Q83-Pad1): length 3.5
  Bottom w0.254: R177.1 59.83,48.94 Q83.1
Net-(Q83-Pad3): length 3.7
  Bottom w0.254: Q83.3 59.87,47.07 59.63,47.31 R179.2
Net-(Q84-Pad1): length 9.3
  Bottom w0.254: R179.1 58.61,44.7 R178.2 60.6,44.7 Q84.1
Net-(Q85-Pad1): length 3.5
  Bottom w0.254: Q85.1 76.85,48.94 R181.1
Net-(Q85-Pad3): length 3.7
  Bottom w0.254: R183.2 76.65,47.31 76.88,47.07 Q85.3
Net-(Q86-Pad1): length 9.3
  Bottom w0.254: R183.1 75.63,44.7 R182.2 77.61,44.7 Q86.1
Net-(Q87-Pad4): length 9.7
  Top w0.254: R260.1 30.48,95.25 32.51,97.28 32.51,100.08 33.66,101.22 Q87.4
Net-(Q88-Pad1): length 5.5
  Top w0.254: Q88.1 144.11,12.81 140.51,12.81 U19.1
Net-(Q89-Pad1): length 5.7
  Bottom w0.254: Q89.1 92.52,32.57 91.82,31.88 91.82,29.72 92.39,29.15 R268.1
Net-(Q90-Pad1): length 12.2
  Bottom w0.254: R270.1 93.47,37.97 95.19,36.26 Q90.1 95.19,32.71 93.98,31.5 93.98,30.35 95.31,29.02 R269.2
Net-(Q90-Pad3): length 4.6
  Bottom w0.254: R271.1 95.31,37.27 96.14,36.45 Q90.3
Net-(Q91-Pad2): length 2.1
  Bottom w0.254: Q91.2 104.71,33.45 R274.1
Net-(R3-Pad2): length 2
  Top w0.254: R4.1 R3.2
Net-(R7-Pad2): length 2
  Top w0.254: R8.1 R7.2
Net-(R11-Pad2): length 2
  Top w0.254: R12.1 R11.2
Net-(R15-Pad2): length 2
  Top w0.254: R16.1 R15.2
Net-(R19-Pad2): length 2
  Top w0.254: R20.1 R19.2
Net-(R23-Pad2): length 2
  Top w0.254: R24.1 R23.2
Net-(R27-Pad2): length 2
  Top w0.254: R28.1 R27.2
Net-(R31-Pad2): length 2
  Top w0.254: R32.1 R31.2
Net-(R35-Pad2): length 2
  Top w0.254: R36.1 R35.2
Net-(R39-Pad2): length 2
  Top w0.254: R40.1 R39.2
Net-(R43-Pad2): length 2
  Top w0.254: R44.1 R43.2
Net-(R47-Pad2): length 2
  Top w0.254: R48.1 R47.2
Net-(R51-Pad2): length 2
  Top w0.254: R52.1 R51.2
Net-(R55-Pad2): length 2
  Top w0.254: R56.1 R55.2
Net-(R59-Pad2): length 2
  Top w0.254: R60.1 R59.2
Net-(R63-Pad2): length 2
  Top w0.254: R64.1 R63.2
Net-(R86-Pad2): length 2.6
  Top w0.254: R86.2 105.6,48.05 R87.1
Net-(R88-Pad2): length 2.6
  Top w0.254: R88.2 109.92,48.05 R89.1
Net-(R95-Pad2): length 2.6
  Top w0.254: R95.2 89.98,18.07 R96.1
Net-(R97-Pad2): length 2.6
  Top w0.254: R98.1 94.3,18.07 R97.2
Net-(R104-Pad2): length 2.6
  Top w0.254: R104.2 105.6,67.6 R105.1
Net-(R106-Pad2): length 2.6
  Top w0.254: R106.2 109.92,67.6 R107.1
Net-(R113-Pad2): length 2.6
  Top w0.254: R113.2 66.48,97.58 R114.1
Net-(R115-Pad2): length 2.6
  Top w0.254: R115.2 70.8,97.58 R116.1
Net-(R124-Pad2): length 2.6
  Top w0.254: R125.1 116.27,18.07 R124.2
Net-(R126-Pad2): length 2.6
  Top w0.254: R127.1 120.59,18.07 R126.2
Net-(R133-Pad2): length 2.6
  Top w0.254: R133.2 92.77,97.58 R134.1
